# Altium PCB FIT_TDC_ADC.PcbDoc (part 9 of 10)
Units mm, origin at the board's own origin, x right, y up, seen from the top; angles counter-clockwise.
Board outline 89.38 x 69 mm, 8 copper layers (Top Layer, GND1, SIGNAL2, POWER3, POWER4, SIGNAL5, GND6, Bottom Layer), stack 1.028 mm thick; 495 components, 463 nets, 2013 pads, 1239 vias.
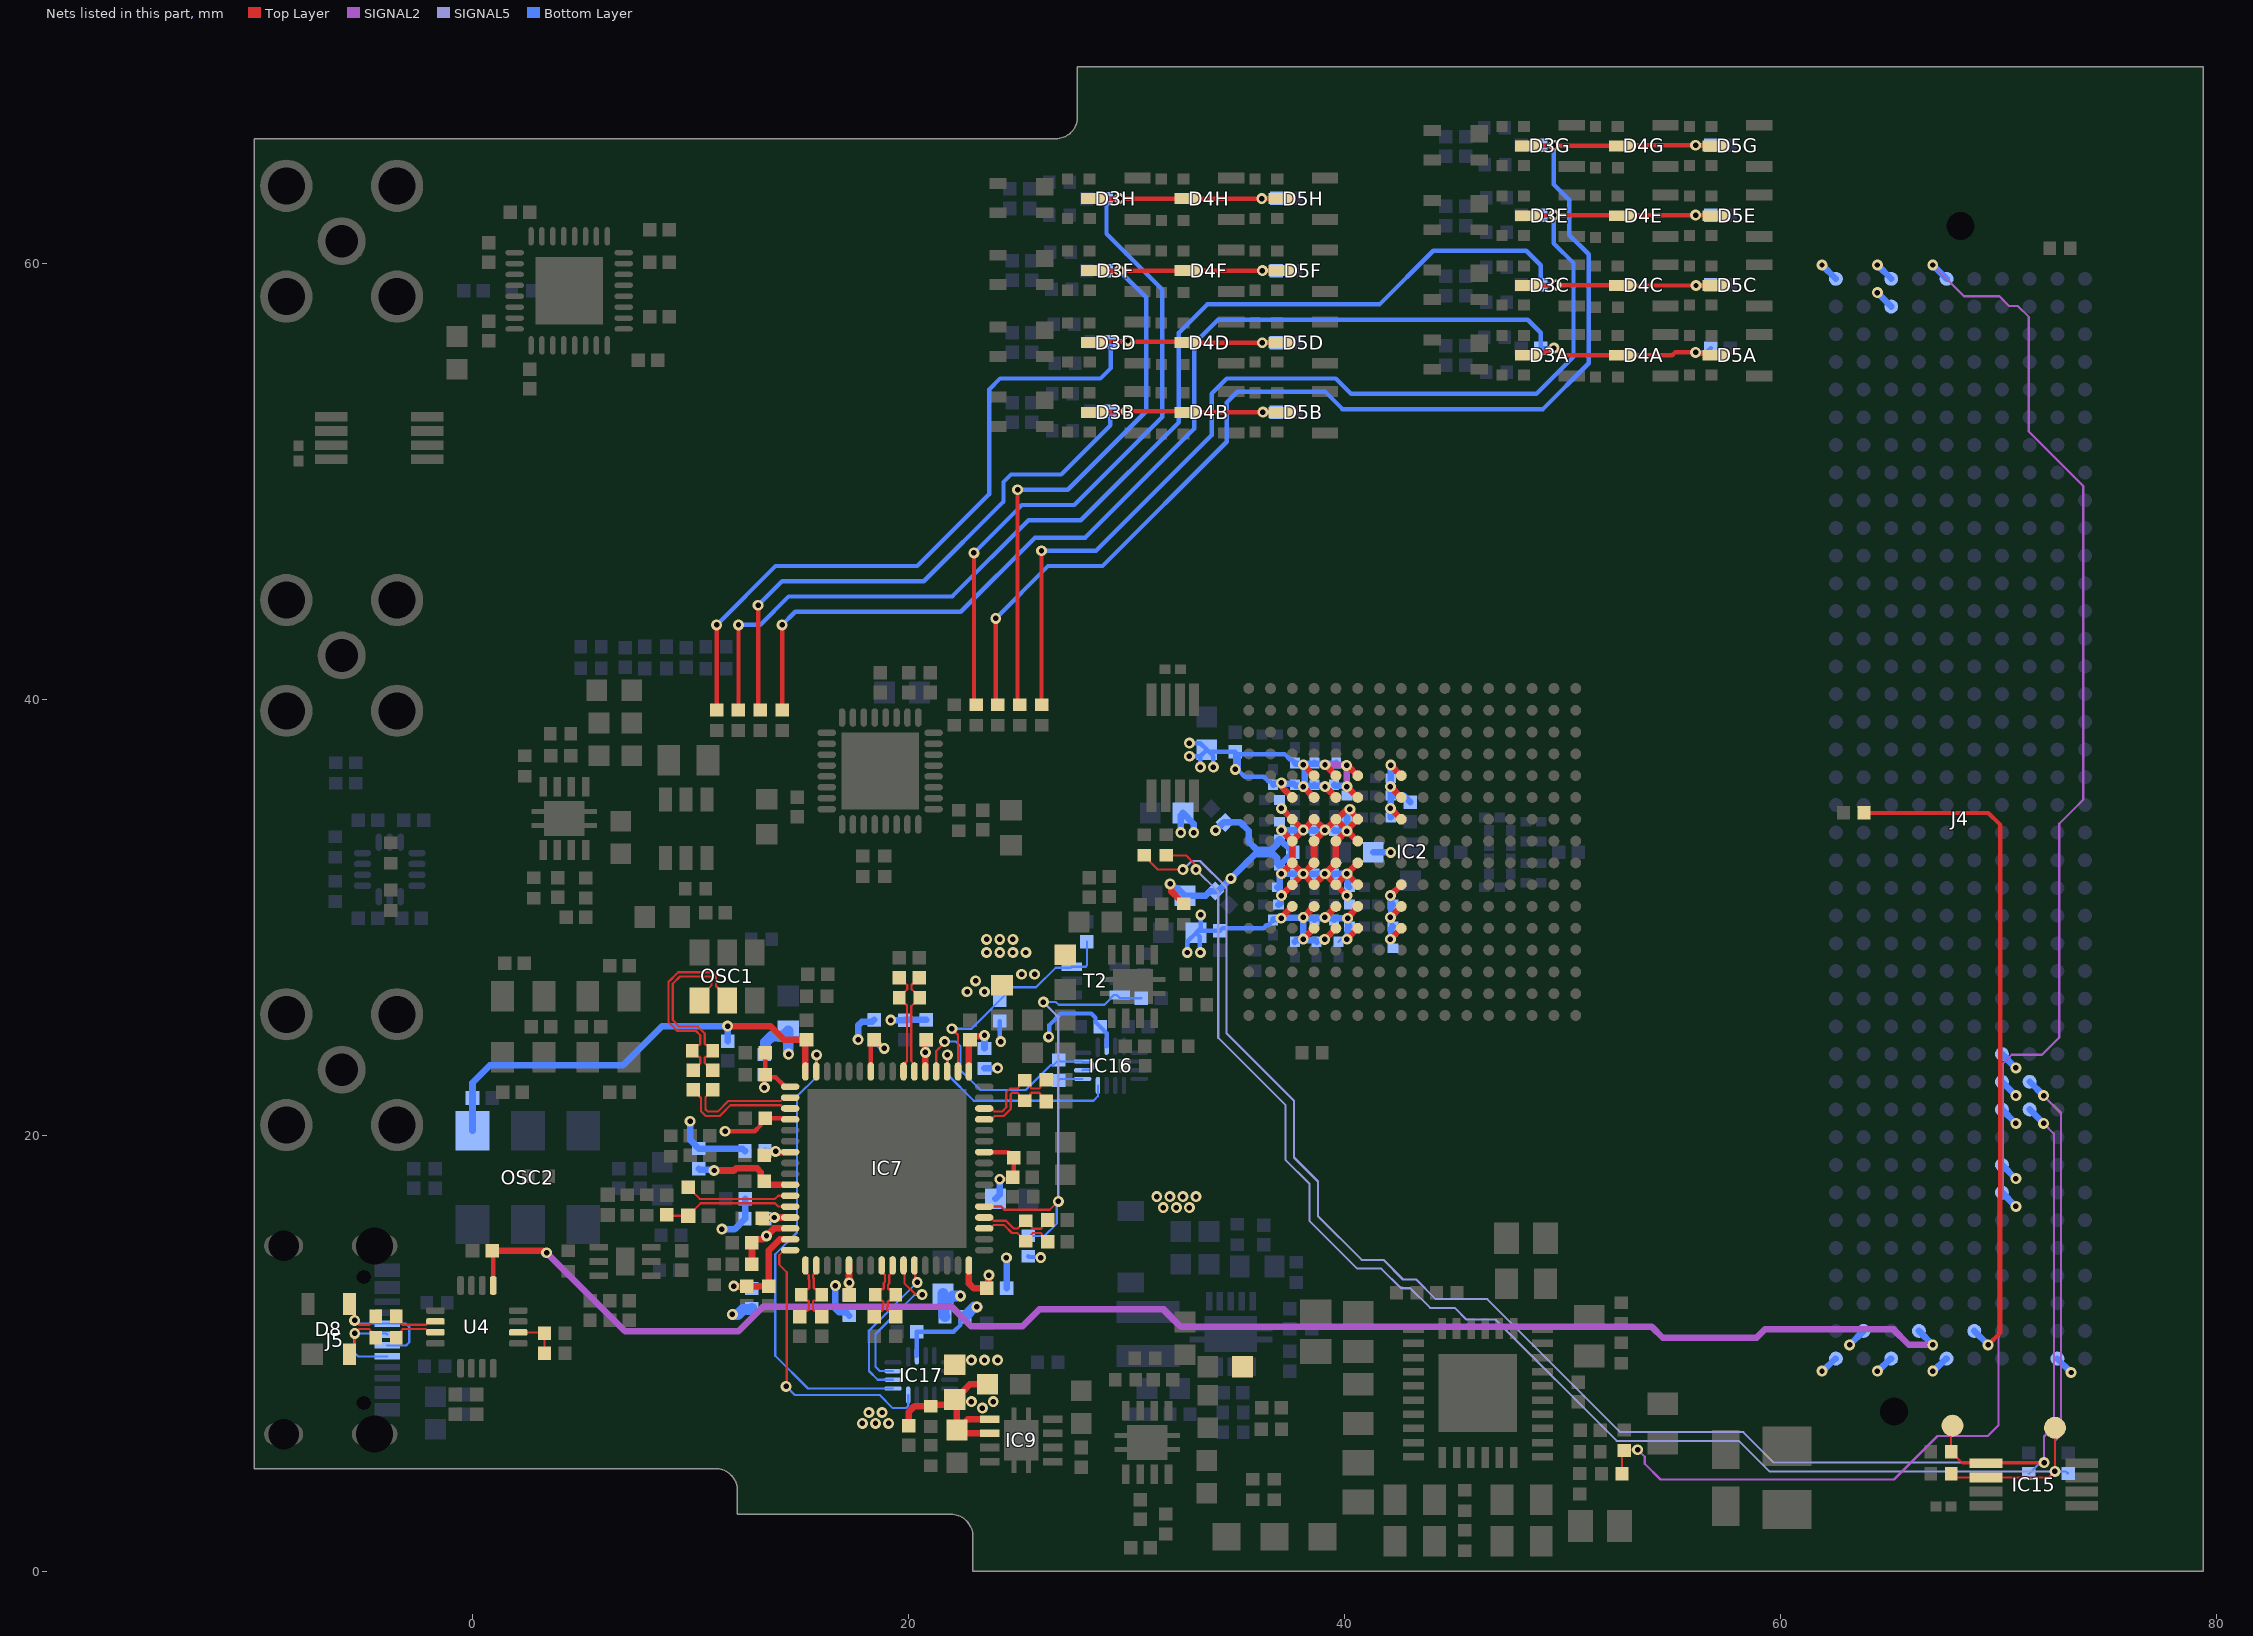
[diagram p15: the nets of this part, all layers, seen from the top]

## Via types
v1: diameter 0.5, hole 0.25, Top Layer to Bottom Layer, tented both sides, 1171 vias
v2: diameter 0.5, hole 0.25, Top Layer to Bottom Layer, tented bottom, 39 vias
v3: diameter 0.5, hole 0.25, Top Layer to Bottom Layer, 29 vias

## Nets (pads, with @x,y where several pads share a name; then routed paths per layer and width w, separated by ;. In a path a pad name is that pad's centre, name@x,y a point inside that pad or via, vN(x,y) a via of type N, cw(c..) or ccw(c..) an arc to the next point about the centre after c; other vN are vias at no path point) (continued)
PG_M2C: J4.f1 R49.1 R52.2 | length 80.8
  Top Layer w0.1: R52.2@52.725,4.474 R49.1@52.725,5.352 ; R49.1@52.82,5.529 52.725,5.434 R49.1@52.725,5.352 ; v1(53.445,5.568) 52.941,5.568 R49.1@52.725,5.352
  SIGNAL2 w0.1: v1(53.445,5.568) 53.77,5.242 53.77,4.923 54.493,4.2 65.2,4.2 67.2,6.2 69.5,6.2 70,6.7 70,17.142 70.207,17.349 70.207,23.292 70.599,23.683 71.994,23.683 72.785,24.474 72.785,34.285 73.885,35.385 73.885,49.774 71.385,52.274 71.385,57.529 70.891,58.023 70.494,58.023 70.043,58.474 68.415,58.474 v1(66.98,59.909)
  Bottom Layer w0.3: v1(66.98,59.909) J4.f1@67.615,59.274
PLL_CLK1_N: C97.1 IC7.4 R29.2 | length 3.7
  Top Layer w0.1: IC7.4@23.47,16.219 23.753,16.219 23.903,16.069 24.468,16.069 24.826,15.711 25.005,15.711 25.005,15.714 25.365,16.074 R29.2@25.385,16.074 25.405,16.074 25.645,15.834 25.645,15.763 25.703,15.704 26.066,15.704 26.125,15.763 26.125,15.844 C97.1@26.385,16.104
PLL_CLK1_P: C96.1 IC7.3 R29.1 | length 3.7
  Top Layer w0.1: IC7.3@23.47,15.719 23.753,15.719 23.903,15.869 24.385,15.869 24.743,15.511 25.005,15.511 25.005,15.494 25.365,15.134 R29.1@25.385,15.134 25.405,15.134 25.645,15.374 25.645,15.446 25.703,15.504 26.066,15.504 26.125,15.446 26.125,15.364 C96.1@26.385,15.104
PLL_CLK3_N: C99.1 IC7.14 R30.2 | length 4.4
  Top Layer w0.1: IC7.14@23.47,21.219 23.799,21.219 23.944,21.074 24.285,21.074 24.485,21.274 24.485,21.964 24.661,22.139 25.001,22.139 25.06,22.198 25.06,22.269 25.3,22.509 R30.2@25.32,22.509 25.34,22.509 25.58,22.269 25.58,22.198 25.638,22.139 26.001,22.139 26.06,22.198 26.06,22.279 C99.1@26.32,22.539
PLL_CLK3_P: C98.1 IC7.13 R30.1 | length 4.4
  Top Layer w0.1: IC7.13@23.47,20.719 23.799,20.719 23.954,20.874 24.368,20.874 24.685,21.191 24.685,21.881 24.743,21.939 25.001,21.939 25.06,21.881 25.06,21.809 25.3,21.569 R30.1@25.32,21.569 25.34,21.569 25.58,21.809 25.58,21.881 25.638,21.939 26.001,21.939 26.06,21.881 26.06,21.799 C98.1@26.32,21.539
PLL_CLK5_N: C103.1 IC7.23 R32.2 | length 4.8
  Top Layer w0.1: R32.2@19.58,26.309 19.58,26.289 19.926,25.943 19.926,23.394 19.77,23.238 IC7.23@19.77,22.919 ; R32.2@19.58,26.329 19.94,26.689 19.94,26.87 C103.1@19.585,27.224
PLL_CLK5_P: C101.1 IC7.22 R32.1 | length 4.9
  Top Layer w0.1: IC7.22@20.27,22.919 20.27,23.248 20.126,23.392 20.126,25.916 20.26,26.049 20.28,26.049 20.52,26.289 20.52,26.329 20.28,26.569 20.26,26.569 20.14,26.69 20.14,26.879 C101.1@20.485,27.224
PLL_CLK9_N: C108.1 IC7.50 R35.2 | length 3.1
  Top Layer w0.1: IC7.50@15.77,14.019 15.77,13.736 15.62,13.586 15.62,13.467 15.65,13.437 15.65,12.988 15.708,12.929 15.78,12.929 16.02,12.689 R35.2@16.02,12.669 16.02,12.656 15.78,12.416 15.661,12.416 15.62,12.374 15.62,11.988 15.678,11.929 15.76,11.929 C108.1@16.02,11.669
PLL_CLK9_P: C107.1 IC7.49 R35.1 | length 3
  Top Layer w0.1: C107.1@15.02,11.669 15.28,11.929 15.361,11.929 15.42,11.988 15.42,12.374 15.385,12.409 15.32,12.409 15.08,12.649 R35.1@15.08,12.669 15.08,12.689 15.32,12.929 15.391,12.929 15.45,12.988 15.45,13.354 15.42,13.384 15.42,13.586 15.27,13.736 IC7.49@15.27,14.019
PLL_CLK11_N: C169.1 IC7.57 R36.2 | length 3.1
  Top Layer w0.1: IC7.57@19.27,14.019 19.27,13.736 19.12,13.586 19.12,13.191 19.061,13.132 19.061,12.955 19.087,12.929 19.18,12.929 19.42,12.689 R36.2@19.42,12.669 19.42,12.649 19.18,12.409 19.108,12.409 19.05,12.351 19.05,12.144 19.02,12.114 19.02,11.988 19.078,11.929 19.16,11.929 C169.1@19.42,11.669
PLL_CLK11_P: C168.1 IC7.56 R36.1 | length 3.1
  Top Layer w0.1: C168.1@18.42,11.669 18.68,11.929 18.761,11.929 18.82,11.988 18.82,12.197 18.85,12.227 18.85,12.351 18.791,12.409 18.72,12.409 18.48,12.649 R36.1@18.48,12.669 18.48,12.688 18.72,12.928 18.833,12.928 18.861,12.955 18.861,13.215 18.92,13.274 18.92,13.586 18.77,13.736 IC7.56@18.77,14.019
PLL_CLKIN_SEL0: IC7.58 IC17.15 | length 7.1
  Top Layer w0.1: IC7.58@19.77,14.019 19.808,13.981 19.808,13.203 20.295,12.716 20.589,12.716 v1(20.625,12.68)
  Bottom Layer w0.1: IC17.15@19.285,9.174 18.685,9.174 18.485,9.374 18.485,10.874 20.284,12.673 20.619,12.673 v1(20.625,12.68)
PLL_CLKIN_SEL1: IC7.59 IC17.14 | length 7.1
  Top Layer w0.1: IC7.59@20.27,14.019 20.308,13.981 20.308,13.445 20.402,13.352 v1(20.402,13.243)
  Bottom Layer w0.1: IC17.14@19.285,8.774 18.585,8.774 18.185,9.174 18.185,11.027 v1(20.402,13.243)
PLL_GEN_N: C105.1 OSC1.5 R33.1 | length 9.5
  Top Layer w0.1: C105.1@10.12,22.969 10.38,23.229 10.391,23.229 10.45,23.288 10.45,23.551 10.391,23.609 10.32,23.609 10.08,23.849 R33.1@10.08,23.869 10.08,23.889 10.32,24.129 10.391,24.129 10.45,24.188 10.45,24.412 10.45,24.574 10.25,24.774 9.402,24.774 9.043,25.133 8.985,25.191 8.985,27.021 9.102,27.138 9.318,27.354 9.435,27.471 10.993,27.471 11.169,27.296 11.169,26.841 11.685,26.324 OSC1.5@11.685,26.174
PLL_GEN_P: C104.1 OSC1.4 R33.2 | length 8.8
  Top Layer w0.1: OSC1.4@10.415,26.174 10.415,26.324 10.969,26.878 10.969,27.213 10.91,27.271 9.518,27.271 9.185,26.938 9.185,25.274 9.485,24.974 10.333,24.974 10.65,24.657 10.65,24.329 10.65,24.188 10.708,24.129 10.78,24.129 11.02,23.889 R33.2@11.02,23.869 11.02,23.849 10.78,23.609 10.708,23.609 10.65,23.551 10.65,23.308 10.728,23.229 10.76,23.229 C104.1@11.02,22.969
PLL_GENx_N: C105.2 IC7.35 | length 5.6
  Top Layer w0.1: C105.2@10.12,22.069 10.485,21.704 10.485,21.091 10.702,20.874 11.334,20.874 11.452,20.991 11.829,21.369 13.344,21.369 14.136,21.369 14.286,21.219 IC7.35@14.57,21.219
PLL_GENx_P: C104.2 IC7.34 | length 5.2
  Top Layer w0.1: C104.2@11.02,22.069 10.685,21.734 10.685,21.174 10.785,21.074 11.252,21.074 11.747,21.569 13.427,21.569 14.136,21.569 14.286,21.719 IC7.34@14.57,21.719
PLL_OSCIN_N: C111.2 C121.1 IC7.44 | length 6
  Top Layer w0.1: C121.1@8.9,16.35 8.95,16.3 C111.2@9.9,16.3 10.473,16.873 13.873,16.873 14.021,16.724 14.565,16.724 IC7.44@14.57,16.719
PLL_OSCIN_P: C109.2 IC7.43 | length 4.9
  Top Layer w0.1: C109.2@9.9,17.6 10.427,17.073 13.873,17.073 14.019,17.219 IC7.43@14.57,17.219
PLL_RESET: C187.2 IC7.5 R92.1 T2.3 | length 20.5
  Top Layer w0.1: IC7.5@23.47,16.719 24.24,16.719 24.385,16.574 26.484,16.574 v1(26.871,16.962)
  SIGNAL5 w0.1: v1(26.187,26.098) 26.871,25.414 v1(26.871,16.962)
  Bottom Layer w0.1: R92.1@25.485,15.374 26.231,15.374 26.795,15.938 26.795,16.885 v1(26.871,16.962) v1@26.878,16.955 ; v1(26.187,26.098) 26.761,26.098 26.885,25.974 28.985,25.974 29.26,26.249 29.26,26.274 29.41,26.424 29.547,26.424 29.697,26.274 C187.2@30.685,26.274
PLL_SCK: IC7.19 IC16.12 | length 9.6
  Top Layer w0.1: IC7.19@21.77,22.919 21.777,22.927 21.777,23.667 v1(21.785,23.674)
  Bottom Layer w0.1: v1(21.785,23.674) 21.785,22.774 22.985,21.574 28.485,21.574 28.685,21.774 IC16.12@28.685,22.274
PLL_SCS: C182.2 IC7.18 R91.1 T2.6 | length 10.6
  Top Layer w0.1: v1(21.985,24.874) 22.27,24.589 IC7.18@22.27,22.919
  Bottom Layer w0.1: v1(21.985,24.874) 22.885,24.874 24.787,26.776 25.847,26.776 26.749,27.679 27.439,27.679 T2.6@27.485,27.724 28.126,27.724 28.185,27.783 C182.2@28.185,28.874
PLL_SDI: IC7.20 IC16.14 IC16.15 R27.2 | length 11.3
  Top Layer w0.1: IC7.20@21.27,22.919 21.27,23.854 21.657,24.241 v1(21.657,24.29)
  Bottom Layer w0.1: v1(21.657,24.29) 22.169,24.29 22.385,24.074 22.385,22.974 23.285,22.074 25.385,22.074 26.515,23.204 26.645,23.204 R27.2@26.885,23.444 26.955,23.374 IC16.15@27.985,23.374 28.004,23.355 28.404,23.355 28.485,23.274 28.485,23.074 28.404,22.993 28.004,22.993 IC16.14@27.985,22.974
PLL_SDO: IC16.13 R27.1 | length 1.1
  Bottom Layer w0.1: R27.1@26.885,22.504 26.955,22.574 IC16.13@27.985,22.574
PLL_STATUS_LD1: IC7.31 IC17.13 | length 21.4
  Top Layer w0.1: IC7.31@15.77,22.919 15.773,22.922 15.773,23.662 v1(15.785,23.674)
  Bottom Layer w0.1: v1(15.785,23.674) 15.785,22.674 14.885,21.774 14.885,15.53 13.885,14.53 13.885,9.874 15.385,8.374 IC17.13@19.285,8.374
PLL_STATUS_LD2: IC7.48 IC17.12 | length 13.3
  Top Layer w0.1: v1(14.385,8.474) 14.418,8.508 14.418,13.71 14.07,14.058 14.07,14.491 14.299,14.719 IC7.48@14.57,14.719
  Bottom Layer w0.1: v1(14.385,8.474) 14.785,8.074 18.681,8.074 19.281,7.474 19.885,7.474 19.985,7.574 IC17.12@19.985,8.074
PLL_VCC_BUF: L19.2
  other v1: 22.885,9.674 23.485,9.674 24.085,9.674
PLL_VCC_CLKOUT_PLANE: C137.2 L14.2 L15.1 L16.1 L17.1 L18.1 | length 7.3
  Bottom Layer w0.3: v1(16.641,13.091) 16.641,12.04 16.817,11.864 17.135,11.864 L17.1@17.285,11.714 ; v1(17.685,24.374) 17.685,25.026 17.861,25.202 18.333,25.202 L16.1@18.42,25.289 ; L15.1@23.485,23.054 23.495,23.064 24.075,23.064 v1(24.085,23.074) ; v1(24.485,14.374) 24.505,14.354 L18.1@24.505,12.974
  Bottom Layer w0.5: C137.2@21.585,12.724 21.585,12.183 22.026,12.624 v1(22.385,12.624) ; 21.625,12.08 21.625,11.714 L14.2@21.665,11.674
PLL_VCC_PLANE: C142.2 C143.2 C144.2 C183.2 C184.2 IC9.1 IC9.2 IC16.2 IC17.2 L7.1 L9.1 L13.1 L14.1 L19.1 R40.2 R91.2 R92.2 | length 23.9
  Top Layer w0.3: C142.2@20.02,6.669 20.02,7.309 20.28,7.569 R40.2@21.02,7.569 21.073,7.622 21.873,7.622 L19.1@22.12,7.869 ; C144.2@23.62,8.569 22.82,8.569 22.47,8.219 22.47,8.194 22.145,7.869 L19.1@22.12,7.869 ; IC9.2@23.72,6.319 22.37,6.319 C143.2@22.22,6.469 ; IC9.1@23.72,6.969 22.72,6.969 C143.2@22.22,6.469 ; L19.1@22.12,7.869 22.22,7.769 C143.2@22.22,6.469
  Bottom Layer w0.2: IC17.2@20.385,9.874 C183.2@20.385,10.974 22.068,10.974 22.385,11.291 22.385,11.474 L14.1@22.585,11.674 ; R91.2@24.185,25.234 24.185,24.333 v1(24.231,24.287) ; R92.2@25.485,14.434 25.511,14.408 26.037,14.408 v1(26.063,14.381) ; v1(26.427,24.501) 26.462,24.537 26.462,25.051 26.985,25.574 28.385,25.574 28.575,25.384 28.575,25.184 C184.2@28.785,24.974 29.085,24.674 IC16.2@29.085,24.074
  Bottom Layer w0.5: v1(11.922,11.777) 12.18,11.777 12.402,11.999 12.77,11.999 L13.1@12.82,12.049 ; L9.1@13.385,23.694 13.395,23.694 13.445,23.744 13.445,24.256 13.738,24.549 14.26,24.549 L7.1@14.485,24.774 14.485,23.726 v1(14.497,23.713) ; L14.1@22.585,11.674 22.585,11.684 23.016,12.115 v1(23.134,12.115)
  other v1: 17.885,6.774 18.485,6.774 19.085,6.774 18.185,7.274 18.785,7.274 23.385,7.474 22.885,7.774 23.885,7.774
PLL_VCCP1: C114.1 C115.1 C116.1 C118.1 C119.1 C120.1 IC7.10 IC7.33 IC7.36 L9.2 | length 10.9
  Top Layer w0.2: v1(11.585,20.174) 12.947,20.174 13.21,20.437 13.21,20.559 C116.1@13.42,20.769 14.218,20.769 14.268,20.719 IC7.36@14.57,20.719 ; v1(13.385,22.174) 13.385,22.734 C115.1@13.42,22.769 ; C119.1@13.42,23.769 C115.1@13.42,22.769 ; IC7.33@14.57,22.219 14.322,22.219 14.276,22.266 14.276,22.283 13.913,22.646 13.543,22.646 C115.1@13.42,22.769 ; IC7.10@23.47,19.219 24.57,19.219 C120.1@24.82,18.969 24.82,18.109 24.685,17.974 v1(24.185,17.974)
  Bottom Layer w0.2: v1(13.385,22.174) L9.2@13.385,22.774
  Bottom Layer w0.3: C118.1@23.985,17.074 24.175,17.265 24.175,17.965 v1(24.185,17.974)
PLL_VCCP2: C129.2 C130.2 C131.2 C134.2 IC7.47 L8.1 L10.1 L11.1 L12.1 L13.2 | length 13
  Top Layer w0.3: v1(11.985,13.074) C134.2@12.585,13.074 C131.2@13.585,13.074 13.585,14.705 14.099,15.219 IC7.47@14.57,15.219
  Bottom Layer w0.3: v1(9.985,20.634) 9.985,19.774 10.225,19.534 10.225,19.524 10.375,19.374 L11.1@10.385,19.374 12.395,19.374 L10.1@12.5,19.269 ; v1(11.438,15.684) 11.448,15.674 12.015,15.674 L12.1@12.5,16.159 ; v1(11.985,13.074) 12.715,13.074 L13.2@12.82,12.969 ; L12.1@12.34,16.009 12.35,16.009 L12.1@12.5,16.159 ; C129.2@12.51,17.079 C129.2@12.52,17.069 12.51,17.059 12.51,16.179 L12.1@12.5,16.169 L12.1@12.5,16.159 ; v1(19.185,25.274) 19.19,25.269 C130.2@19.82,25.269 19.83,25.279 20.81,25.279 L8.1@20.82,25.289
PLL_VCCP2_CP2: C133.2 IC7.45 L12.2 | length 1.4
  Top Layer w0.3: C133.2@13.285,16.174 13.33,16.219 v1@13.95,16.219 ; v1(13.846,16.219) v1@13.95,16.219 ; IC7.45@14.57,16.219 v1@13.95,16.219
PLL_VCCP2_OSCIN: C132.2 IC7.42 L11.2 | length 4.7
  Top Layer w0.3: v1(11.085,18.374) 11.992,18.374 12.092,18.474 13.049,18.474 13.225,18.299 13.225,18.034 C132.2@13.385,17.874 13.54,17.719 IC7.42@14.57,17.719
  Bottom Layer w0.3: L11.2@10.385,18.454 10.427,18.413 11.047,18.413 v1(11.085,18.374)
PLL_VCCP2_OSCOUT: C170.2 IC7.39 L10.2 | length 1.7
  Top Layer w0.3: C170.2@13.385,19.074 13.53,19.219 IC7.39@14.57,19.219
  Bottom Layer w0.3: L10.2@13.42,19.269 13.428,19.261 13.893,19.261 v1(13.901,19.253)
PLL_VCCP2_SYSREF: C117.1 IC7.21 L8.2 | length 2.1
  Top Layer w0.3: IC7.21@20.77,22.919 v1(20.77,23.796) 20.77,24.319 C117.1@20.82,24.369
  Bottom Layer w0.3: v1(20.77,23.796) 20.795,23.821 20.795,24.344 L8.2@20.82,24.369
PLL_VCG0: C141.2 IC7.64 L18.2 | length 3
  Top Layer w0.3: IC7.64@22.77,14.019 22.77,13.189 22.985,12.974 C141.2@23.585,12.974 23.685,13.074 v1(23.685,13.574)
  Bottom Layer w0.3: L18.2@23.585,12.974 23.647,13.036 23.647,13.536 v1(23.685,13.574)
PLL_VCG1: C138.2 IC7.17 L15.2 | length 2.8
  Top Layer w0.3: IC7.17@22.77,22.919 22.77,24.319 22.98,24.529 23.386,24.529 23.431,24.574 v1(23.485,24.574)
  Bottom Layer w0.3: L15.2@23.485,23.974 v1(23.485,24.574)
PLL_VCG2: C139.2 IC7.26 L16.2 | length 2.8
  Top Layer w0.2: IC7.26@18.27,22.919 18.27,24.219 C139.2@18.42,24.369 18.815,23.974 v1(18.885,23.974)
  Bottom Layer w0.3: L16.2@18.42,24.369 18.43,24.369 18.787,24.013 18.847,24.013 v1(18.885,23.974)
PLL_VCG3: C140.2 IC7.53 L17.2 | length 1.9
  Top Layer w0.3: v1@17.27,13.208 IC7.53@17.27,14.019 ; v1(17.277,13.216) 17.281,13.212 17.281,12.678 C140.2@17.285,12.674
  Bottom Layer w0.3: v1(17.277,13.216) 17.281,13.212 17.281,12.638 L17.2@17.285,12.634
PLL_VTUNE1: C110.1 C126.2 C127.2 IC7.32 OSC2.1 | length 21
  Top Layer w0.3: v1(11.7,25) 13.655,25 14.286,24.369 C127.2@15.27,24.369 ; IC7.32@15.27,22.919 15.27,24.319 C127.2@15.32,24.369
  Bottom Layer w0.3: OSC2.1@0,20.2 C110.1@0,21.7 0,22.4 0.8,23.2 6.9,23.2 8.7,25 v1(11.7,25) C126.2@11.7,24.3
PLL_VTUNE2: C124.2 C125.2 IC7.46 | length 3
  Top Layer w0.3: C125.2@12.82,14.069 C124.2@12.82,15.069 12.968,15.218 13.328,15.218 v1(13.485,15.374) 13.83,15.719 IC7.46@14.57,15.719
PRSNT_M2C_L: J4.h2 | length 0.9
  Bottom Layer w0.3: v1(64.44,58.639) J4.h2@65.075,58.004
RES0: J4.b40 | length 0.9
  Bottom Layer w0.3: J4.b40@72.695,9.744 v2(73.33,9.109)
SCL: IC15.6 J4.c30 R80.2 R82.1 R90.2 TP5.1 | length 85.1
  Top Layer w0.1: R80.2@31.82,32.829 32.73,32.829 33.108,32.451 33.108,32.251 v1(33.185,32.174) ; R82.1@67.82,4.469 67.995,4.294 IC15.6@69.42,4.294 72.305,4.294 v1(72.585,4.574) TP5.1@72.585,6.574
  SIGNAL2 w0.1: v1(72.061,21.809) 72.86,21.01 72.86,6.25 72.585,5.974 v1(72.585,4.574)
  SIGNAL5 w0.1: v1(33.185,32.174) 34.205,31.154 34.205,24.464 37.285,21.384 37.285,18.874 38.385,17.774 38.385,16.074 40.585,13.874 41.685,13.874 42.585,12.974 43.024,12.974 43.924,12.074 45.055,12.074 45.595,11.534 46.925,11.534 52.485,5.974 58.085,5.974 59.485,4.574 v1(72.585,4.574)
  Bottom Layer w0.1: v1(72.585,4.574) 73.085,4.574 R90.2@73.185,4.474
  Bottom Layer w0.3: J4.c30@71.425,22.444 72.06,21.809 v1(72.061,21.809)
SDA: IC15.5 J4.c31 R79.2 R81.1 R89.2 TP4.1 | length 83
  Top Layer w0.1: R79.2@30.82,32.829 30.84,32.829 31.08,32.589 31.08,32.541 31.447,32.174 v1(32.585,32.174) ; TP4.1@67.885,6.674 67.82,6.609 R81.1@67.82,5.469 67.82,5.449 68.06,5.209 68.08,5.209 68.345,4.944 IC15.5@69.42,4.944 72.055,4.944 v1(72.085,4.974)
  SIGNAL2 w0.1: v1(72.061,20.539) 72.534,20.066 72.534,6.624 72.085,6.174 v1(72.085,4.974)
  SIGNAL5 w0.1: v1(32.585,32.174) 32.985,32.574 33.372,32.574 34.584,31.363 34.584,24.675 37.685,21.574 37.685,18.974 38.785,17.874 38.785,16.274 40.785,14.274 41.785,14.274 42.685,13.374 43.285,13.374 44.185,12.474 46.55,12.474 52.65,6.374 58.285,6.374 59.685,4.974 v1(72.085,4.974)
  Bottom Layer w0.1: R89.2@71.385,4.474 71.405,4.474 71.828,4.898 72.008,4.898 v1(72.085,4.974)
  Bottom Layer w0.3: J4.c31@71.425,21.174 72.06,20.539 v1(72.061,20.539)
TCK: J4.d29 | length 0.9
  Bottom Layer w0.3: J4.d29@70.155,23.714 v1(70.79,23.079)
TDI: J4.d30 | length 0.9
  Bottom Layer w0.3: J4.d30@70.155,22.444 v1(70.79,21.809)
TDO: J4.d31 | length 0.9
  Bottom Layer w0.3: J4.d31@70.155,21.174 v2(70.79,20.539)
TMS: J4.d33 | length 0.9
  Bottom Layer w0.3: J4.d33@70.155,18.634 v2(70.79,17.999)
TRST_L: J4.d34 | length 0.9
  Bottom Layer w0.3: J4.d34@70.155,17.364 v2(70.79,16.729)
USB_D_N: D8.2 J5.A7 J5.B7 R95.2 | length 6.3
  Top Layer w0.1: D8.2@-5.65,9.95 -5.4,10.2 -5.4,10.459 v1(-5.4,10.9) -5.2,11.1 -4.963,11.1 -4.739,11.1 -4.68,11.041 -4.68,10.94 R95.2@-4.44,10.7
  Bottom Layer w0.1: J5.B7@-3.91,9.85 -5.25,9.85 -5.4,10 v1(-5.4,10.9) -3.96,10.9 J5.A7@-3.91,10.85
USB_D_P: D8.3 J5.A6 J5.B6 R96.2 | length 6.5
  Top Layer w0.1: D8.3@-5.65,12.25 -5.403,12.003 v1(-5.403,11.503) -5.2,11.3 -4.88,11.3 -4.739,11.3 -4.68,11.359 -4.68,11.46 R96.2@-4.44,11.7
  Bottom Layer w0.1: v1(-5.403,11.503) -5.295,11.503 -5.142,11.35 J5.B6@-3.91,11.35 -3.05,11.35 -2.9,11.2 -2.9,10.5 -3.05,10.35 J5.A6@-3.91,10.35
USB_RD_N: R95.1 U4.7 | length 2.1
  Top Layer w0.1: R95.1@-3.5,10.7 -3.26,10.94 -3.26,11.041 -3.201,11.1 -2.134,11.1 -1.984,10.95 U4.7@-1.7,10.95
USB_RD_P: R96.1 U4.6 | length 2.1
  Top Layer w0.1: R96.1@-3.5,11.7 -3.26,11.46 -3.26,11.359 -3.201,11.3 -2.134,11.3 -1.984,11.45 U4.6@-1.7,11.45
VA_1V1: C26.2 C27.2 C28.2 C29.2 C30.2 C31.2 C32.2 C33.2 C34.2 C35.2 C36.2 C37.2 C38.2 C39.2 C40.2 C41.2 C42.2 C43.2 C44.2 IC2.E4 IC2.E5 IC2.E6 IC2.F3 IC2.F4 IC2.F5 IC2.F6 IC2.L3 IC2.L4 IC2.L5 IC2.L6 IC2.M4 IC2.M5 IC2.M6 L5.2 | length 44
  Top Layer w0.1: v1(39.082,28.972) v1@39.09,28.972 ; v1(39.099,29.985) v1@39.104,29.985 ; v1(40.091,36.953) v1@40.136,36.953
  Top Layer w0.3: v1(37.093,29.944) 37.093,29.975 IC2.L3@37.604,30.485 ; v1(37.104,36.154) 37.142,36.115 37.142,35.947 IC2.F3@37.604,35.485 ; v1(38.104,28.985) IC2.M4@38.604,29.485 ; v1(38.104,29.985) IC2.L4@38.604,30.485 ; v1(38.104,35.985) IC2.F4@38.604,35.485 ; v1(38.104,36.985) IC2.E4@38.604,36.485 ; v1@39.09,28.972 IC2.M5@39.604,29.485 ; v1@39.104,29.985 IC2.L5@39.604,30.485 ; v1(39.104,35.985) IC2.F5@39.604,35.485 ; v1(39.104,36.985) IC2.E5@39.604,36.485 ; v1(40.104,28.984) IC2.M6@40.604,29.485 ; v1(40.104,35.985) IC2.F6@40.604,35.485 ; v1@40.136,36.953 IC2.E6@40.604,36.485 ; v1(40.141,29.944) 40.141,29.983 40.604,30.446 IC2.L6@40.604,30.485
  SIGNAL2 w0.3: v1(39.104,36.985) 39.136,36.953 v1(40.091,36.953) 40.091,35.998 v1(40.104,35.985)
  Bottom Layer w0.1: C33.2@38.72,28.869 38.822,28.972 v1(39.082,28.972) ; C30.2@39.72,28.869 39.835,28.984 v1(40.104,28.984)
  Bottom Layer w0.2: v1(32.785,28.374) 32.785,28.782 32.81,28.807 32.81,28.899 C26.2@33.185,29.274 ; v1(32.885,37.374) C27.2@33.385,37.374 ; v1(32.885,37.974) 33.385,37.974 C27.2@33.685,37.674 ; v1(33.385,28.374) 33.355,28.404 33.355,29.104 C26.2@33.185,29.274 ; v1(33.385,36.874) C27.2@33.385,37.374 ; v1(33.405,30.102) 33.405,29.495 C26.2@33.285,29.374 ; v1(33.985,36.874) 33.985,37.374 C27.2@33.785,37.574 ; v1(34.985,36.774) C28.2@34.985,37.574 ; C34.2@36.72,29.869 36.72,29.844 36.495,29.619 36.412,29.619 36.287,29.494 34.405,29.494 C29.2@34.285,29.374 C26.2@33.285,29.374 ; C43.2@36.72,36.069 36.72,36.094 36.595,36.219 36.506,36.219 36.29,36.435 35.424,36.435 35.157,36.702 35.157,37.402 C28.2@35.085,37.474 ; C40.2@37.72,37.069 37.72,37.094 37.595,37.219 37.506,37.219 37.251,37.474 C28.2@35.085,37.474 ; C26.2@33.185,29.274 C26.2@33.285,29.374 ; C27.2@33.385,37.374 C27.2@33.685,37.674 ; C27.2@33.685,37.674 C27.2@33.785,37.574 ; C27.2@33.785,37.574 C28.2@34.985,37.574 ; C28.2@34.985,37.574 C28.2@35.085,37.474
  Bottom Layer w0.3: C34.2@36.72,29.869 36.757,29.907 37.056,29.907 37.114,29.965 38.083,29.965 v1(38.104,29.985) ; C43.2@36.72,36.069 36.766,36.115 37.066,36.115 v1@37.107,36.157 ; v1(37.104,36.154) 37.142,36.115 37.674,36.115 37.766,36.024 38.066,36.024 v1(38.104,35.985) v1@38.142,36.024 ; C36.2@37.72,28.869 37.72,28.872 37.795,28.947 38.066,28.947 v1(38.104,28.985) ; C40.2@37.72,37.069 37.766,37.024 38.066,37.024 v1(38.104,36.985) ; C41.2@38.62,29.869 C41.2@38.62,29.872 ; C33.2@38.72,28.869 C33.2@38.72,28.869 38.645,28.946 38.197,28.946 38.158,28.985 v1(38.104,28.985) ; v1(39.104,35.985) 39.066,36.024 38.666,36.024 C39.2@38.62,36.069 38.574,36.024 v1@38.142,36.024 ; C42.2@39.52,29.869 C42.2@39.52,29.872 ; C35.2@39.52,36.069 39.566,36.024 40.066,36.024 v1(40.104,35.985) ; v1(40.091,36.953) 40.053,36.992 39.695,36.992 39.62,37.067 C37.2@39.62,37.069 39.574,37.024 39.142,37.024 v1(39.104,36.985) 39.066,37.024 38.666,37.024 C32.2@38.62,37.069 38.574,37.024 38.142,37.024 v1(38.104,36.985) ; v1(40.104,28.984) 40.142,29.022 40.142,29.494 C38.2@40.217,29.569 ; v1(40.141,29.944) 39.592,29.944 C42.2@39.52,29.872 ; v1(40.141,29.944) 40.179,29.907 40.179,29.607 C38.2@40.217,29.569 ; C38.2@40.22,29.569 C38.2@40.217,29.569 ; v1(38.104,28.985) v1(38.104,29.985) ; v1(38.104,29.985) 38.142,29.947 38.545,29.947 C41.2@38.62,29.872 ; v1(38.104,36.985) 38.104,36.931 38.171,36.864 38.171,36.194 38.142,36.165 v1@38.142,36.024 ; C41.2@38.62,29.872 38.695,29.947 39.06,29.947 v1(39.099,29.985) 39.137,29.947 39.445,29.947 C42.2@39.52,29.872